# KiCad board JumperlessRev3point1.kicad_pcb (continued)
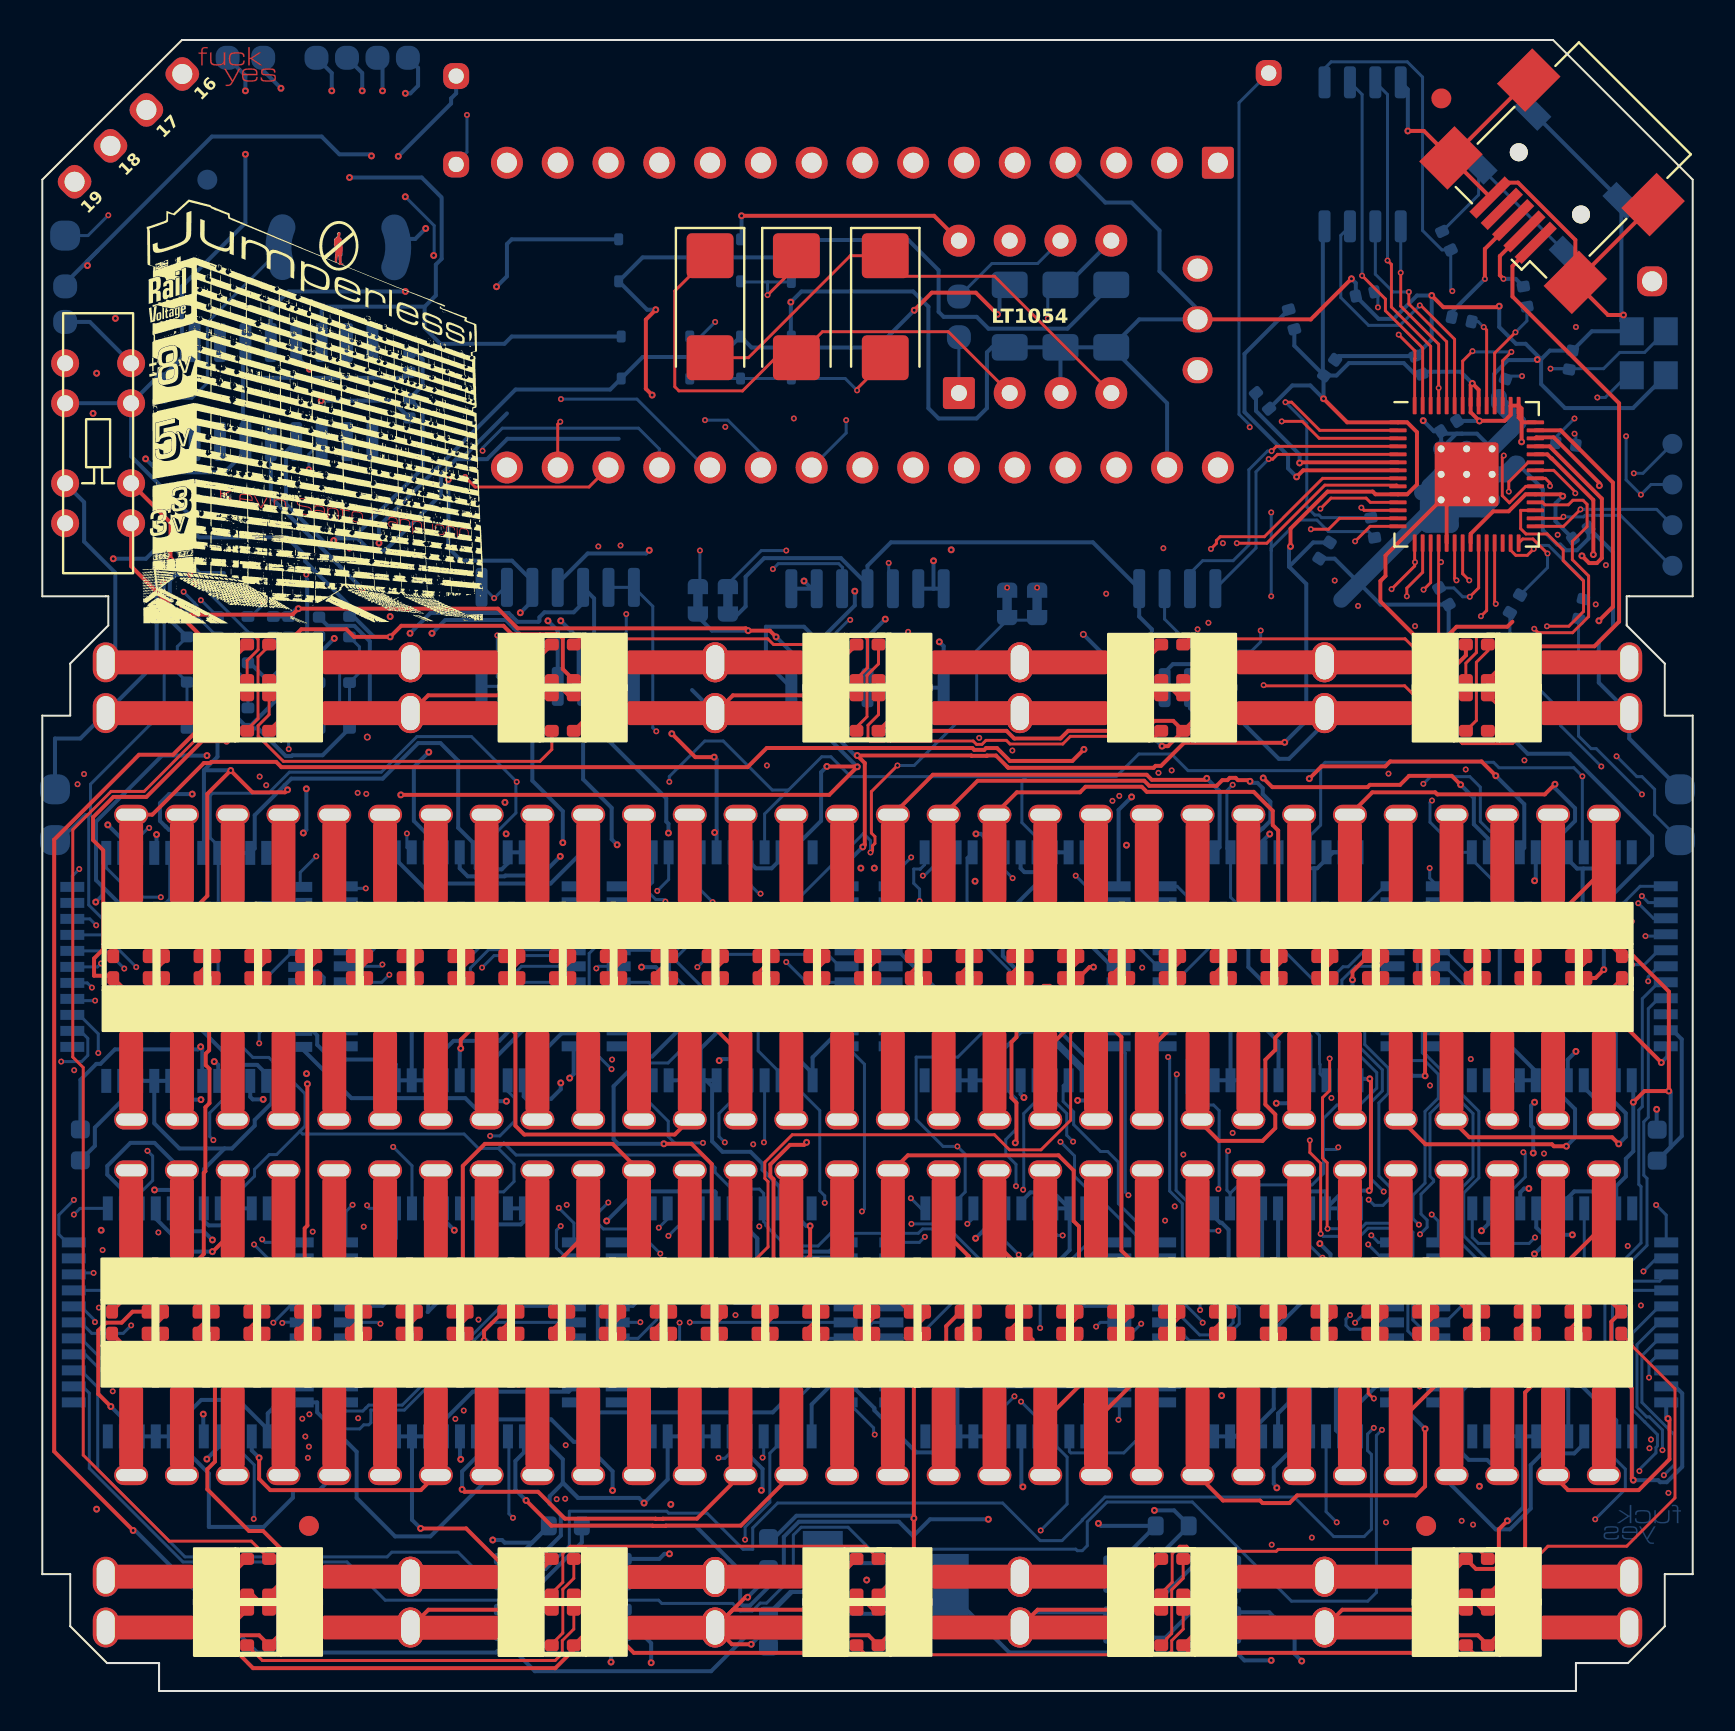
[diagram p0: board, top side]
## Routing (per net, layer and track width the routed paths; a pad name or vN(x,y) marks a point on that pad's centre or on a via; arc(x,y) is an arc through that point) (continued)
GND: length 1398.8
  Top w0.2: 48.39,37.34 48.39,37.59 v2(47.62,38.35) ; 48.39,37.34 45.97,37.34 ; 48.39,37.34 48.52,37.2 D18.2 ; 48.39,37.34 50.8,37.34 ; v2(68.3,78) 69.11,78 J5.6 ; D53.2 61.2,19.5 61.21,19.52 ; D83.2 19.3,49.78 J4.0 ; 58.8,37.34 58.69,37.23 D22.2 ; 58.8,37.34 60.2,37.34 ; 58.8,37.34 56.13,37.34 ; 63.75,19.52 63.74,19.5 D54.2 ; 63.75,19.52 61.21,19.52 ; 63.75,19.52 66.17,19.52 ; D32.2 7.82,19.5 7.87,19.56 ; v2(22.1,17.53) 22.1,18.01 D38.2 23.06,19.5 23.11,19.56 ; D48.2 48.47,19.47 48.51,19.52 ; D80.2 9.69,6.05 9.69,4.53 10.16,4.06 ; 10.16,49.78 9.69,50.25 9.69,50.55 ; J4.32 19.32,4.06 23.88,4.06 ; v2(63.88,38.1) 63.88,37.46 63.75,37.34 ; 50.8,37.34 53.72,37.34 ; 50.8,37.34 51.06,37.08 D19.2 ; 53.72,37.34 56.13,37.34 ; 53.72,37.34 53.6,37.22 D20.2 ; 33.15,19.56 35.69,19.56 ; 33.15,19.56 30.73,19.56 ; 33.15,19.56 33.23,19.47 D42.2 ; 35.69,19.56 38.1,19.56 ; 35.69,19.56 35.77,19.47 ; 61.21,37.34 63.75,37.34 ; 61.21,37.34 60.2,37.34 ; 61.21,37.34 61.23,37.32 D23.2 ; 63.75,37.34 63.88,37.34 ; 40.64,49.78 40.17,50.25 40.17,51.77 D85.2 ; 7.87,37.22 7.75,37.34 ; 7.87,37.22 7.87,37.23 v2(7.87,38.35) ; 7.87,37.22 D2.2 ; 7.75,37.34 10.41,37.34 ; 7.75,37.34 5.84,37.34 5.33,36.83 8.25,39.76 8.25,44.86 v2(9.42,46.02) 10.51,44.93 12.14,44.93 v2(12.27,45.06) ; 5.27,19.04 5.78,19.56 7.87,19.56 ; D21.2 56.14,37.33 56.13,37.34 ; U9.19 70.24,59.28 U9.57 67.18,56.77 67.18,55.75 66.93,55.5 66.93,54.48 69.22,52.2 69.72,52.2 70.74,53.21 73.28,53.21 73.53,53.47 ; D27.2 71.39,37.32 71.37,37.34 ; D28.2 73.93,37.32 73.91,37.34 ; 28.19,37.34 28.19,37.33 D10.2 ; 28.19,37.34 25.65,37.34 ; 28.19,37.34 30.86,37.34 ; 7.87,19.56 10.29,19.56 ; 43.56,37.34 43.44,37.22 D16.2 ; 43.56,37.34 45.97,37.34 ; 43.56,37.34 40.89,37.34 ; 30.73,19.56 30.68,19.51 D41.2 ; 30.73,19.56 28.07,19.56 ; 15.49,19.56 17.91,19.56 ; 15.49,19.56 15.44,19.5 D35.2 ; 15.49,19.56 12.83,19.56 ; 17.91,19.56 v2(19.3,19.56) 20.45,19.56 ; 17.91,19.56 17.98,19.49 D36.2 ; 25.65,37.34 25.65,37.33 D9.2 ; 25.65,37.34 23.11,37.34 ; 56.13,19.52 58.67,19.52 ; 56.13,19.52 56.11,19.49 D51.2 ; 56.13,19.52 53.59,19.52 ; 58.67,19.52 58.66,19.5 D52.2 ; 58.67,19.52 61.21,19.52 ; 48.51,19.52 45.85,19.52 ; 48.51,19.52 49.4,19.52 ; J4.32 34.49,2.34 v2(35.46,2.34) ; J4.32 34.54,4.06 D75.2 ; J4.32 35.17,4.69 v2(35.28,4.69) ; 12.83,19.56 12.9,19.49 D34.2 ; 12.83,19.56 10.29,19.56 ; v2(66.37,25.02) 66.45,25.1 66.45,30.55 v2(66.4,30.61) ; 38.35,37.34 38.36,37.33 D14.2 ; 38.35,37.34 35.81,37.34 ; 38.35,37.34 40.89,37.34 ; D12.2 33.28,37.33 33.27,37.34 ; D55.2 66.28,19.41 66.17,19.52 ; D44.2 38.31,19.35 38.1,19.56 ; v2(9.5,50.7) 9.65,50.55 9.69,50.55 ; 30.86,37.34 33.27,37.34 ; 30.86,37.34 30.73,37.21 D11.2 ; 33.27,37.34 35.81,37.34 ; 76.45,37.34 77.34,37.34 ; 76.45,37.34 73.91,37.34 ; 76.45,37.34 76.47,37.32 D29.2 ; 77.34,37.34 77.34,37.95 v2(77.25,38.05) ; 77.34,37.34 78.42,37.34 D30.2 79.58,36.75 81.36,34.97 v2(81.36,30) 80.14,30 v2(79.58,29.44) ; 20.64,37.28 20.57,37.2 D7.2 ; 20.64,37.28 20.59,37.34 18.92,37.34 ; 20.64,37.28 20.68,37.24 20.97,37.24 21.07,37.34 23.11,37.34 ; 45.97,37.34 45.98,37.33 D17.2 ; D84.2 24.93,51.77 24.93,50.25 25.4,49.78 ; 18.03,37.34 18.03,37.33 D6.2 ; 18.03,37.34 15.49,37.34 ; 18.03,37.34 18.92,37.34 ; 67.64,19.52 68.83,19.52 ; 67.64,19.52 66.17,19.52 ; 67.64,19.52 70.81,19.52 D57.2 71.36,19.5 71.37,19.52 ; 68.83,19.52 71.37,19.52 ; 68.83,19.52 68.82,19.5 D56.2 ; 28.07,19.56 28.14,19.49 D40.2 ; 28.07,19.56 25.65,19.56 ; v2(17.93,44.81) 39.36,44.81 v2(40.76,46.21) 40.74,46.23 v2(39.24,46.23) ; 71.12,49.78 70.61,49.78 69.87,50.53 v2(69.87,51.05) 70.48,51.05 71.2,51.78 D89.2 ; 45.85,19.52 45.93,19.43 D47.2 45.21,18.24 45.21,16.64 v2(45.59,16.26) ; 45.85,19.52 44.32,19.52 43.86,19.97 43.54,19.97 43.13,19.56 42.8,19.56 ; D13.2 35.82,37.33 35.81,37.34 ; 40.64,4.06 40.17,4.53 40.17,6.05 D76.2 ; 73.91,19.52 73.9,19.5 D58.2 ; 73.91,19.52 76.45,19.52 ; 73.91,19.52 71.37,19.52 ; D33.2 10.36,19.49 10.29,19.56 ; 23.11,37.34 23.11,37.33 D8.2 ; D46.2 42.8,19.56 ; 42.8,19.56 40.77,19.56 ; 9.69,50.55 9.69,51.77 D81.2 ; J5.6 J5.6 ; J5.6 J5.5 ; 38.1,19.56 40.77,19.56 ; 20.45,19.56 23.11,19.56 ; 20.45,19.56 20.52,19.49 D37.2 ; 55.88,49.78 55.37,50.29 55.37,51.73 D88.2 ; D49.2 51.01,19.43 50.93,19.52 ; 60.2,37.34 v2(60.2,38.1) ; 53.59,19.52 53.56,19.48 D50.2 ; 53.59,19.52 50.93,19.52 ; 76.45,19.52 78.43,19.52 D60.2 78.48,18.47 78.48,17.03 78.82,16.68 78.82,15.82 79.5,15.14 79.5,10.62 v2(79.58,10.54) ; 76.45,19.52 76.44,19.5 D59.2 ; J5.6 76.68,72.55 73.81,75.42 73.18,75.42 ; J5.6 78.31,68.8 v2(79.09,68.8) ; J5.6 J5.6 ; D31.2 4.52,18.97 3.97,18.42 3.19,18.42 2.8,18.02 2.8,14.85 v2(3.43,14.22) ; 15.49,37.34 12.95,37.34 ; 15.49,37.34 15.49,37.33 D5.2 ; v2(69.49,69.77) 70.08,69.19 72.82,69.19 v2(72.87,69.24) ; D26.2 68.85,37.23 68.96,37.34 ; 23.11,19.56 25.65,19.56 ; 25.65,19.56 25.6,19.5 D39.2 ; 71.12,4.06 70.66,4.53 70.66,6.05 D72.2 71.7,6.1 72.65,6.1 72.86,6.31 72.86,8.08 v2(73.28,8.51) ; J4.0 54.23,48.89 55.12,49.78 D87.2 ; 50.93,19.52 49.4,19.52 ; 71.37,37.34 72.52,37.34 ; 71.37,37.34 68.96,37.34 ; 72.52,37.34 v2(72.52,38.1) ; 72.52,37.34 73.91,37.34 ; 49.4,19.52 v2(49.4,20.07) ; D71.2 65.02,4.06 J4.32 ; 12.95,37.34 12.95,37.33 D4.2 ; 12.95,37.34 10.41,37.34 ; v2(63.63,20.07) 63.63,19.08 ; v2(51.31,33.88) v2(49.45,33.88) ; 10.41,37.34 10.41,37.33 D3.2 ; 66.29,37.34 68.96,37.34 ; 66.29,37.34 66.31,37.32 D25.2 65.53,35.97 v2(65.53,35.56) ; 66.29,37.34 63.88,37.34 ; D78.2 23.88,4.06 ; 23.88,4.06 23.88,5.45 21.2,8.13 v2(18.92,8.13) ; J1.2 63.45,68.58 v2(65.48,70.61) ; D74.2 49.78,4.06 J4.32 ; 18.92,37.34 18.8,37.46 v2(18.8,37.97) ; 35.77,19.47 D43.2 ; 35.77,19.47 35.77,20.74 v2(35.72,20.8) 35.85,20.8 36.07,20.57 36.58,20.57 36.96,20.95 37.6,20.95 38.4,21.76 v2(38.4,23.25) ; D86.2 34.54,49.78 J4.0 ; D79.2 9.36,3.17 J4.32 ; D45.2 40.85,19.47 40.77,19.56 ; 63.88,37.34 63.77,37.23 D24.2 ; v2(25.02,6.98) 25.1,6.98 D77.2 24.93,6.05 24.93,4.53 25.4,4.06 ; 40.89,37.34 40.9,37.33 D15.2 ; D73.2 55.42,6.05 55.42,4.53 55.88,4.06 ; v2(38.23,38.48) 38.23,36.88
  In1.Cu w0.2: J4.32 J4.32 J4.32 J4.32 ; v2(3.55,56.61) 5.18,56.61 6,57.44 14.5,57.44 v2(14.58,57.52) ; J4.32 J4.32 ; J4.0 J4.0 ; J4.0 J4.0 J4.0 ; 63.82,49.21 49.21,49.21 ; 18.56,48.75 33.51,48.75 ; 18.69,3.45 33.38,3.45
  In2.Cu w0.2: v2(14.58,57.52) 14.91,57.86 14.91,68.86 v2(19.18,73.13) ; v2(3.66,68.63) 3.61,68.58 3.48,68.58 3.48,65.84 ; 3.48,65.84 2.77,65.84 v2(2.72,65.89) ; 3.48,65.84 3.48,63.93 ; v2(3.55,56.61) 3.48,56.69 3.48,63.93 ; v2(38.23,38.48) 37.72,37.97 37.72,33.65 v2(37.8,33.58) ; 17.93,48.41 v2(17.93,44.81) ; J4.32 31.37,5.46 v2(31.37,6.86) ; 3.48,63.93 2.59,63.93 v2(2.54,63.88) ; v2(7.87,38.35) 7.49,37.97 v2(7.49,33.53)
  Bottom w0.2: 51.39,24.12 51.39,22.05 v2(49.4,20.07) ; G1.21 G1.20 59.69,12.73 ; v2(22.1,17.53) 22.22,17.53 23.88,15.88 25.5,15.88 26.14,15.23 ; F5.10 26.33,14.97 21.53,14.97 20.09,13.53 F5.18 F5.21 ; B1.18 B1.21 17.68,31.33 17.44,31.57 14.49,31.57 13.75,32.31 13.75,32.78 13.53,33.01 A2.10 ; H1.21 H1.18 ; J6.18 J6.21 31.28,10.58 v2(30.1,9.4) 29.84,9.65 26.8,9.65 ; F5.42 F5.43 24.09,23.48 23.94,23.33 21.83,23.33 21.69,23.47 F5.40 21.69,21.36 19.28,18.95 19.3,18.97 v2(19.3,19.56) ; D70.43 D70.42 77.9,41.22 77.8,41.12 77.09,41.12 ; B1.19 19.28,31.22 20.57,32.51 22.85,32.51 23.89,33.54 23.89,33.77 24.88,33.77 B1.12 24.88,31.78 26.13,33.03 ; C8.2 36.75,2.65 U2.1 35.77,2.65 v2(35.46,2.34) ; 77.09,41.12 77.04,41.08 77.04,38.25 v2(77.25,38.05) ; 77.09,41.12 76.76,41.12 76.3,41.59 ; v2(7.49,33.53) 9.72,31.31 10.75,31.31 11.2,30.86 ; 39.88,33.03 38.53,31.68 I1.12 ; 18.02,72.6 18.65,72.6 v2(19.18,73.13) ; 12.63,15.23 11.28,13.88 E1.12 ; v2(72.87,69.24) 72.87,68.2 73.71,67.36 74.19,67.36 74.97,66.59 ; C25.1 2.63,27.25 2.63,28.17 4,29.54 A2.21 A2.18 ; 65.83,30.89 65.28,31.44 65.28,33.46 64.43,34.31 62.56,34.31 62.54,34.29 62.23,34.29 ; J6.10 39.38,15.23 38.48,14.33 J6.12 ; U9.57 71.76,62.87 71.02,62.87 ; C13.2 72.61,64.95 72.61,65.85 73.31,66.55 74.75,66.55 v2(74.78,66.57) 74.79,66.59 74.97,66.59 ; 63.63,41.14 63.63,38.35 v2(63.88,38.1) ; 63.63,41.14 63.08,41.14 62.63,41.59 ; 63.63,41.14 63.77,41.14 64.57,41.94 C26.43 C26.42 ; G1.40 62.91,24.43 62.91,24.92 62.97,24.98 64.16,24.98 64.21,24.93 G1.42 ; C26.18 C26.21 ; 37.73,42.28 38.95,43.51 38.95,45.94 v2(39.24,46.23) ; v2(37.8,33.58) 37.67,33.58 37.16,34.09 ; 74.97,66.59 74.97,65.34 76.16,64.15 79.56,64.15 Y1.4 ; 74.97,66.59 75.4,67.02 C14.2 77.5,67.99 Y1.2 78.98,68.5 SW1.1 SW1.1 ; R22.2 8.24,48.65 8.24,50.4 C17.2 ; R22.2 8.76,46.71 8.08,46.04 ; R22.2 R21.2 ; R22.2 R23.2 ; A2.12 11.47,30.23 11.47,29.4 10.62,28.55 10.62,28.26 9.49,27.13 9.12,27.13 ; 9.08,55.9 7.85,55.9 6.59,57.15 5.72,57.15 ; C1.2 54.86,68.58 J1.2 57.78,69.09 55.88,70.99 55.88,73.03 54.48,74.42 53.17,74.42 A1.4 ; C1.2 56.26,64.39 A1.29 ; C1.2 C6.1 47.5,67.18 47.25,66.93 47.25,64.14 46.73,63.63 44.83,63.63 44.32,64.13 44.32,69.22 43.56,69.98 37.97,69.98 v2(37.44,69.44) 37.44,67.75 ; v2(63.63,20.07) 60.33,16.76 60.33,13.36 59.69,12.73 ; 9.12,27.13 8.08,26.09 8.08,24.14 ; 9.12,27.13 6.86,27.13 5.6,28.38 A2.19 ; L1.12 52.13,31.1 50.27,32.97 48.97,32.97 47.33,31.33 L1.18 L1.21 ; G1.19 61.59,14.11 61.59,16.26 62.1,16.76 63.55,16.76 64.33,15.98 65.43,15.98 65.81,15.6 G1.12 65.81,14.33 66.71,15.23 G1.10 ; H1.40 76.32,24.68 76.62,24.98 77.87,24.98 H1.43 ; 48.97,24.48 49.42,24.93 50.57,24.93 K1.43 K1.42 ; H1.43 H1.42 ; H1.43 78.72,25.24 79.2,25.72 79.2,26.61 79.58,26.98 v2(79.58,29.44) 79.58,30.46 ; 59.69,12.73 G1.18 ; 74.08,12.58 74.08,9.18 73.41,8.51 v2(73.28,8.51) ; v2(35.72,20.8) 35.76,20.84 35.76,22.63 ; 38.53,30.88 37.19,32.23 37.19,34.06 37.16,34.09 ; C4.1 U1.3 ; 5.72,57.15 5.18,56.61 v2(3.55,56.61) ; 5.72,57.15 5.72,55.61 5.68,55.57 5.68,55.28 5.72,55.24 5.72,51.44 J4.0 1.9,47.62 0.63,47.62 TP25.1 ; 81.55,33.04 82,32.59 82,27.75 C16.2 81.45,27.19 81.45,29.91 v2(81.36,30) ; C22.2 v2(9.5,50.7) 9.5,48.92 R23.2 ; 26.8,9.65 26.04,10.41 26.04,11.59 F5.12 ; 26.8,9.65 26.04,10.4 25.38,9.74 25.38,9.34 25.94,8.79 25.94,7.78 25.15,6.98 v2(25.02,6.98) ; H1.12 79.52,10.59 v2(79.58,10.54) 80.82,10.54 80.92,10.44 81.25,10.44 82.02,11.21 82.02,14.88 81.67,15.23 ; I1.42 I1.43 ; 48.04,38.67 50.53,41.16 ; 48.04,38.67 48.04,36.75 49.45,35.35 v2(49.45,33.88) 49.45,33.57 52.13,30.88 ; 48.04,38.67 47.73,38.35 v2(47.62,38.35) ; K1.12 52.17,14.33 53.07,15.23 K1.10 48.27,15.23 48.26,15.24 45.77,15.24 ; 53.38,33.03 52.89,33.53 51.66,33.53 v2(51.31,33.88) ; 12.25,51.44 11.3,50.5 ; 11.3,50.5 10.39,51.41 ; 11.3,50.5 11.68,50.12 11.68,49.53 R23.2 ; 35.33,41.5 35.69,41.13 36.48,41.13 36.93,41.58 ; D70.21 D70.18 ; L1.40 48.93,41.13 49.12,40.94 50.34,40.94 50.53,41.13 L1.42 L1.43 ; 11.28,13.08 9.8,14.55 7.95,14.55 6.48,13.08 ; v2(65.53,35.56) 65.53,34.69 67.18,33.04 ; v2(66.37,25.02) 65.1,25.02 G1.42 ; 37.16,34.09 36.93,34.32 35.13,34.32 32.93,32.12 I1.19 ; B1.43 B1.42 23.28,41.38 22.98,41.08 21.73,41.08 21.68,41.14 B1.40 21.68,42.28 20.8,43.16 20.8,46.51 19.91,47.4 18.8,47.4 17.02,45.62 12.45,45.62 12.12,45.28 ; v2(72.52,38.1) 72.9,37.72 72.9,32.79 74.7,30.99 ; v2(31.37,6.86) 31.11,6.86 30.86,6.6 U4.1 U4.2 ; v2(35.28,4.69) 36.32,5.73 C7.2 ; 16.38,48.89 16.13,48.89 R18.1 14.02,46.79 12.51,46.79 12.47,46.75 12.18,46.75 10.8,48.13 R23.2 ; 16.38,48.89 J4.0 ; 16.38,48.89 16.38,52.48 15.61,53.25 14.28,53.25 C24.2 ; 8.08,46.04 8.08,41.99 ; 8.08,46.04 9.41,46.04 v2(9.42,46.02) ; 44.97,12.38 44.52,11.93 43.72,11.93 41.62,14.03 41.62,14.14 40.53,15.23 ; v2(79.09,68.8) 79.08,68.79 79.08,68.41 ; v2(38.23,38.48) 38.83,38.48 39.78,39.43 ; 35.76,22.63 35.28,23.11 J6.40 ; 35.76,22.63 35.76,21.13 36.45,20.45 37.67,21.67 40.14,21.67 ; U11.11 41.28,52.7 v2(42.16,53.59) ; E1.40 8.08,23.52 8.32,23.28 9.38,23.28 9.68,23.58 E1.42 E1.43 ; v2(18.92,8.13) 18.49,8.56 F5.20 ; v2(66.4,30.61) 65.91,30.61 ; 21.21,61.59 22.25,61.59 23.26,62.61 28.83,62.61 ; 21.21,61.59 20.7,61.59 19.94,60.83 19.94,59.82 17.14,57.02 16.38,57.02 15.77,57.63 14.69,57.63 v2(14.58,57.52) 14.76,57.71 15.6,57.71 19.02,61.14 19.02,63.95 C10.2 19.02,65.28 19.02,66.57 18.7,66.9 C15.2 ; 21.21,61.59 21.21,61.85 23.24,63.88 ; 62.23,34.29 60.58,34.29 59.94,34.92 59.56,34.92 59.43,34.8 C26.20 ; 62.23,34.29 60.33,36.2 60.33,37.97 v2(60.2,38.1) ; C18.2 64.64,56.62 66.94,54.32 C11.2 70.34,51.53 v2(69.87,51.05) ; 33.2,30.53 I1.18 ; 33.2,30.53 I1.21 ; 33.2,30.53 33.5,30.23 33.5,27.48 34.03,26.96 35.42,26.96 36.02,26.36 36.02,26.06 36.88,25.21 J6.42 J6.43 ; v2(12.27,45.06) 12.12,45.21 12.12,45.28 ; 32.5,50.05 J4.0 38.08,48.89 v2(40.76,46.21) ; J4.0 64.14,48.39 62.36,46.61 61.85,46.61 58.67,49.78 U12.5 58.67,50.37 57.7,51.34 56.55,51.34 56.13,50.93 U12.7 ; TP19.1 79.38,47.62 J4.0 77.85,50.42 77.85,52.48 78.56,53.19 78.56,56.95 C21.2 77.34,57.62 76.76,57.04 76.21,57.04 75.92,57.32 75.77,57.32 75.06,58.04 75.06,60.1 73.79,61.37 ; 71.02,62.87 70.08,62.87 ; 71.02,62.87 70.72,62.87 U9.57 69.97,62.97 ; G1.42 G1.43 ; v2(18.8,37.97) 18.48,37.66 B1.20 ; U8.4 68.3,80.08 v2(68.3,78) ; 12.12,45.28 10.62,43.79 10.62,42.13 A2.43 A2.42 ; U4.6 22.87,3.38 18.62,3.38 ; 45.77,15.24 45.77,16.08 v2(45.59,16.26) ; 45.77,15.24 K1.20 ; v2(38.4,23.25) 38.21,23.25 37.68,23.78 ; C20.2 69.6,62.99 v2(69.07,63.52) ; U6.1 57.78,6.48 55.25,3.94 U6.6 49.66,3.94 J4.32 ; v2(3.43,14.22) 4.08,13.58 E1.21 E1.18 ; v2(65.48,70.61) 65.7,70.39 C9.2 66.84,68.61 67.59,68.61 68.76,69.77 v2(69.49,69.77) 69.49,67.57 C19.2 64.85,66.75 C12.2 ; K1.18 K1.21
  Bottom w0.8: U9.57 64.97,54.56 ; U9.57 69.61,59.92 69.01,59.92 ; U9.57 70.43,59.09 70.43,59.08 72.04,59.08 U9.57 U9.57 ; U9.57 69.97,58.73 70.45,58.73 70.45,58.31 69.3,58.31 69.3,59.43 ; U9.57 U9.57 ; U9.57 69.38,60.15 69.38,60.24 U9.57 ; C13.2 72.86,64.4 73.84,63.42 73.41,63 73.41,63 U9.57 U9.57 ; U9.57 U9.57 U9.57 ; U9.57 U9.57 U9.57 ; 73.79,61.37 73.69,61.37 73.16,60.83 U9.57 ; U9.57 U9.57
1: length 80.4
  Top w0.2: J4.1 5.5,43.81 8.08,46.4 8.39,46.4 8.45,46.46 11.7,46.46 11.96,46.19 35.28,46.19 36.23,47.15 46.52,47.15 46.61,47.06 47.11,47.06 47.2,47.15 47.75,47.15 48.4,46.5 51.52,46.5 v2(52.1,47.08)
  In2.Cu w0.2: v2(52.1,47.08) 51.29,46.27 51.29,39.53 v2(49.89,38.13) ; J4.1 4.45,43.07 5.23,42.29 5.23,30.89 4.45,30.11 J4.1
  Bottom w0.2: L1.5 53.2,37.03 52,38.23 52,38.32 51.75,38.57 50.32,38.57 v2(49.89,38.13)
2: length 21.9
  In2.Cu w0.2: v2(3.28,43.31) 3.28,44.06 3.78,44.56 6.23,44.56 J4.2 J4.2
  Bottom w0.2: v2(3.28,43.31) 4,42.58 A2.35
3: length 20.5
  In1.Cu w0.2: J4.3 9.52,43.15 9.35,42.98 5.87,42.98 v2(5.71,42.82)
  In2.Cu w0.2: J4.3 9.02,43.31 9.02,38.15 9.14,38.04 9.14,28.96
  Bottom w0.2: v2(5.71,42.82) 5.71,42.02
4: length 26.3
  In1.Cu w0.2: J4.4 11.05,44.83 7.52,44.83 v2(7.5,44.85)
  In2.Cu w0.2: J4.4 12.07,30.22 11.77,30.52 11.77,32.43 10.92,33.27 10.92,35.34 11.82,36.23 11.82,42.02 12.07,42.26 J4.4
  Bottom w0.2: v2(7.5,44.85) 6.34,44.85 5.88,44.39 5.88,43.5 6.17,43.22 6.17,43.22 6.33,43.06 6.84,43.06 7.2,42.71 A2.39
5: length 26.2
  In1.Cu w0.2: J4.5 13.59,27.56 11.26,27.56 10.62,28.19 10.62,28.89 10.19,29.33 9.2,29.33 8.95,29.57 v2(7.94,29.57)
  In2.Cu w0.2: J4.5 14.61,43.21 13.3,41.9 13.3,37.04 14.61,35.74 J4.5
  Bottom w0.2: v2(7.94,29.57) 7.34,29.57 7.2,29.71 A2.17
6: length 26.8
  In1.Cu w0.2: v2(8.6,31.47) 8.6,31.42 10.86,29.16 11.24,29.16 11.4,29.33 12.73,29.33 12.97,29.57 15.52,29.57 16.51,28.58
  In2.Cu w0.2: J4.6 18.39,29.82 18.39,35.01 18.16,35.25 18.16,38.16 17.14,39.17 J4.6
  Bottom w0.2: A2.15 8.8,31.31 8.64,31.47 v2(8.6,31.47)
7: length 26.1
  In1.Cu w0.2: J4.7 18.34,29.92 11.38,29.92 v2(11.05,29.58)
  In2.Cu w0.2: J4.7 J4.7
  Bottom w0.2: v2(11.05,29.58) 10.53,29.58 10.4,29.71 A2.13
8: length 25.9
  In2.Cu w0.2: 21.92,43.51 21.61,43.2 21.61,37.39 22.57,36.43 22.57,28.92
  Bottom w0.2: J4.8 21.16,29.64 15.46,29.64 A2.11
9: length 23.9
  In2.Cu w0.2: J4.9 24.76,39.22 23.8,38.26 ; 24.83,28.64 24.83,37.16 24.63,37.36 24.63,37.67 24.56,37.74 24.56,38 24.38,38.17 23.88,38.17 23.8,38.26 ; 23.8,38.26 23.87,38.33 v2(23.87,38.33)
  Bottom w0.2: v2(23.87,38.33) 23.33,38.86 20.4,38.86 17.68,41.58
10: length 27.2
  In2.Cu w0.2: J4.10 27.3,32.31 28.12,33.12 28.12,36.23 26.98,37.37 26.98,43.49
  Bottom w0.2: B1.37 19.28,41.13 20.04,40.37 25.42,40.37 27.3,42.25 J4.10
11: length 28
  In1.Cu w0.2: v2(25.91,41.73) 25.91,41.86 25.88,41.86 25.27,42.47 25.73,42.93 28.96,42.93 J4.11
  In2.Cu w0.2: J4.11 30.36,43.3 30.36,38.07 29.62,37.33 29.62,36.52 29.55,36.45 29.55,28.87
  Bottom w0.2: B1.39 20.88,41.13 21.28,40.73 23.12,40.73 23.16,40.77 24.95,40.77 v2(25.91,41.73)
12: length 34.3
  Top w0.2: J4.12 31.64,27.83 24.1,27.83 23.66,28.26 23.66,32.89 23.33,33.22 21.59,33.22 20.93,32.56 v2(20.93,32.13)
  In2.Cu w0.2: J4.12 J4.12
  Bottom w0.2: v2(20.93,32.13) 20.88,32.08 B1.17
13: length 33.9
  Top w0.2: v2(24.31,33.31) 28.73,33.31 29.75,34.33 32.45,34.33 34.92,31.85 J4.13
  In2.Cu w0.2: 35.02,43.72 35.02,28.67
  Bottom w0.2: B1.15 22.48,31.48 v2(24.31,33.31)
14: length 30.6
  In1.Cu w0.2: 37.13,28.91 36.01,28.91 35.59,29.33 29.18,29.33 29.16,29.3 27.88,29.3 27.85,29.33 27.01,29.33 v2(25.93,30.4)
  In2.Cu w0.2: 37.75,43.53 37.75,38.43 37.42,38.1 37.42,37.97 36.86,37.41 36.86,34.01 37.47,33.4 J4.14
  Bottom w0.2: v2(25.93,30.4) 25.93,30.09 25.45,29.61 24.2,29.61 24.08,29.73 B1.13
15: length 31.1
  In1.Cu w0.2: 39.45,28.58 38.32,29.7 30.03,29.7 29.68,30.05 29.58,30.05 29.22,29.69 27.33,29.69 v2(26.38,30.65)
  In2.Cu w0.2: J4.15 J4.15
  Bottom w0.2: B1.11 26.58,30.85 v2(26.38,30.65)
16: length 37
  Top w0.2: v2(58.24,45.63) 58.17,45.56 55.49,45.56 55.24,45.81 44.54,45.81 J4.16
  In2.Cu w0.2: J4.16 42.55,39.57 43.68,38.44 43.68,37.48 43.77,37.38 43.77,35.33 43.29,34.84 43.29,34.58 42.55,33.84 J4.16
  Bottom w0.2: C26.35 58.89,42.19 58.89,44.99 v2(58.24,45.63)
17: length 35.7
  Top w0.2: J4.17 46.78,45.51 55.12,45.51 55.37,45.26 58.74,45.26 59.02,45.54 59.28,45.54 59.4,45.66 59.69,45.66 59.8,45.54 60.35,45.54 v2(60.41,45.48)
  In2.Cu w0.2: J4.17 45.38,28.87 45.38,43.52
  Bottom w0.2: v2(60.41,45.48) 60.48,45.41 60.78,45.41 61.04,45.14 61.04,44.85 61.42,44.47 61.42,43.5 61.04,43.12 61.02,43.12 60.23,42.34
18: length 39.5
  Top w0.2: v2(62.36,38.73) 61.82,39.28 61.82,43.03 61.54,43.3 61.54,44.01 60.59,44.96 55.25,44.96 54.99,45.21 52.18,45.21 51.9,44.93 48.74,44.93 J4.18
  In2.Cu w0.2: J4.18 47.62,38.96 47.09,38.43 47.09,34.06 47.45,33.7 47.45,28.75
  Bottom w0.2: C26.39 61.83,39.26 v2(62.36,38.73)
19: length 35.1
  Top w0.2: J4.19 50.17,32 51.83,33.67 51.83,34.29 52.37,34.83 53.14,34.83 53.41,34.55 59.74,34.55 v2(59.81,34.48)
  In2.Cu w0.2: J4.19 50.17,39.01 49.47,38.31 49.47,34.97 50.51,33.92 50.51,28.92
  Bottom w0.2: v2(59.81,34.48) 61.83,32.46 C26.17
20: length 36.2
  Top w0.2: 52.46,28.82 52.46,33.58 52.42,33.62 52.42,33.71 52.38,33.75 52.38,34.06 52.6,34.28 52.91,34.28 53.3,33.89 59.52,33.89 59.56,33.85 60.22,33.85 60.24,33.87 62.23,33.87 v2(62.26,33.9)
  In2.Cu w0.2: J4.20 52.7,40.36 50.35,38.01 50.35,36.63 52.38,34.6 52.38,33.75 52.48,33.64 52.48,28.8
  Bottom w0.2: v2(62.26,33.9) 63.43,32.73 C26.15
21: length 32.7
  Top w0.2: v2(64.14,33.66) 64.05,33.57 62.5,33.57 62.45,33.52 62.11,33.52 62.09,33.55 57.28,33.55 57.23,33.59 56.88,33.59 55.25,31.95 J4.21
  In2.Cu w0.2: J4.21 54.61,29.21 54.61,36.53 55.12,37.04 55.75,37.04 55.93,37.21 55.93,43.13 55.57,43.49
  Bottom w0.2: v2(64.14,33.66) 64.98,32.82 64.98,30.59
22: length 37.3
  Top w0.2: v2(69.16,30.76) 69.16,33.15 69.09,33.22 62.23,33.22 61.67,32.66 61.67,32.05 61.17,31.56 61.17,29.33 61.67,28.83 61.67,28.14 61.03,27.51 58.85,27.51 J4.22
  In2.Cu w0.2: 57.55,43.58 57.55,38.81 57.65,38.81 57.89,38.58 57.89,38.25 57.86,38.22 57.86,28.65
  Bottom w0.2: C26.11 67.97,31.8 67.97,31.32 68.53,30.76 v2(69.16,30.76)
23: length 31.3
  Top w0.2: v2(61.07,45.65) 61.52,45.19 66.29,45.19 66.4,45.31 67.91,45.31 68.36,45.76 70.5,45.76 v2(70.94,45.31)
  In2.Cu w0.2: 60.69,43.45 60.69,34.87 60.6,34.78 60.6,34.18 60.55,34.12 60.55,28.8 ; v2(61.07,45.65) 61.07,44.56 J4.23
  Bottom w0.2: v2(70.94,45.31) 71.6,44.65 71.6,43.33 72.3,42.64 D70.35
24: length 31.5
  Top w0.2: v2(63.37,45.62) 63.99,46.23 67.18,46.23 67.42,46.48 71.99,46.48 v2(72.7,45.76)
  In2.Cu w0.2: 62.93,43.75 62.93,37.75 63.08,37.6 63.08,33.44 63.09,33.43 63.09,28.8 ; v2(63.37,45.62) 63.37,44.32 J4.24
  Bottom w0.2: v2(72.7,45.76) 74.12,44.34 74.12,42.16 D70.37
25: length 30.8
  Top w0.2: v2(75.66,45.34) 75.15,44.83 69.77,44.83 69.67,44.93 66.52,44.93 J4.25
  In2.Cu w0.2: J4.25 65.88,29.05 65.88,34.38 66.29,34.8 66.29,42.93 J4.25
  Bottom w0.2: v2(75.66,45.34) 75.66,45.14 76.67,44.14 76.67,43.5 75.5,42.34
26: length 28.3
  Top w0.2: v2(76.23,27.24) 75.61,27.24 75.51,27.34 69.18,27.34 J4.26
  In2.Cu w0.2: J4.26 J4.26
  Bottom w0.2: v2(76.23,27.24) 76.67,27.67 76.67,29.09 76.07,29.69 75.55,29.69 75.5,29.74 D70.17
27: length 28.4
  Top w0.2: J4.27 71.37,27.69 78.52,27.69 v2(78.85,27.36)
  In2.Cu w0.2: J4.27 J4.27
  Bottom w0.2: v2(78.85,27.36) 79.2,27.71 79.2,28.89 78.41,29.69 77.6,29.69 77.1,30.19
28: length 28.1
  Top w0.2: v2(73.38,33.66) 73.38,28.93
  In2.Cu w0.2: 73.14,43.7 73.14,28.69
  Bottom w0.2: v2(73.38,33.66) 73.77,34.04 77.15,34.04 77.29,33.9 77.86,33.9 78.7,33.06 D70.13
29: length 27.3
  Top w0.2: v2(80.98,31.42) 78.24,34.16 77.19,34.16 75.56,32.54 J4.29
  In2.Cu w0.2: J4.29 J4.29
  Bottom w0.2: v2(80.98,31.42) 81.28,31.72 81.28,32.16
30: length 49.2
  Top w0.2: v2(51.58,38.14) 52.25,38.81 57.65,38.81 57.89,38.58 58.09,38.58 58.24,38.74 60.38,38.74 60.8,38.31 62.53,38.31 63.06,38.84 65.21,38.84 65.42,38.63 75.66,38.63 78.11,41.07 J4.30
  In2.Cu w0.2: J4.30 78.11,39.9 78.54,39.47 78.54,38.44 78.76,38.22 78.76,30.24 78.48,29.96 78.48,28.95
  Bottom w0.2: 53.49,36.23 51.58,38.14 v2(51.58,38.14)
32: length 79.9
  In1.Cu w0.2: J4.33 4.45,26.82 5.71,28.09 5.71,30.61 7.74,32.64 8.68,32.64 9.92,31.39 26.03,31.39 26.06,31.42 26.86,31.42 27.61,30.67 29.21,30.67 29.29,30.75 32.47,30.75 33.71,31.98 34.16,31.98 35.75,30.4 50.92,30.4 v2(51.78,29.53)
  In2.Cu w0.2: J4.33 4.45,25.62 5.32,24.74 5.32,11.67 J4.33
  Bottom w0.2: v2(51.78,29.53) 52.48,29.53 52.64,29.69 52.64,31.24 50.63,33.26 50.63,33.99 50.93,34.29 52.34,34.29 53.48,35.43
33: length 22.5
  In2.Cu w0.2: J4.34 J4.34
  Bottom w0.2: E1.35 4.08,24.99 3.25,25.82 3.25,26.25 4.41,27.41 5.61,27.41 J4.34
34: length 23.8
  Top w0.2: J4.35 9.52,22.97 8.53,21.97 v2(8.51,21.97)
  In2.Cu w0.2: J4.35 J4.35
  Bottom w0.2: E1.37 5.68,23.62 7.33,21.97 v2(8.51,21.97)
35: length 27
  In1.Cu w0.2: J4.36 11.32,25.28 5.84,25.28 v2(5.61,25.05)
  In2.Cu w0.2: J4.36 13.06,10.8 14.47,12.21 14.47,14.2 14.18,14.48 14.18,20.05 12.07,22.17 J4.36
  Bottom w0.2: E1.39 7.28,24.66 6.89,25.05 v2(5.61,25.05)
36: length 28.1
  In2.Cu w0.2: 14.53,25.96 14.53,21.05 15.01,20.57 15.01,11.2 J4.37
  Bottom w0.2: J4.37 13.86,10.05 12.53,10.05 12.53,9.66 11.07,8.2 8.33,8.2 8.33,10.88 7.28,11.93 E1.17
37: length 27.8
  In2.Cu w0.2: v2(8.23,11.59) 8.23,10.18 9.02,9.4 15.75,9.4 J4.38 17.62,11.27 17.62,18.12 17.6,18.14 17.6,20.19 17.64,20.23 17.64,25.54 J4.38
  Bottom w0.2: 8.88,12.26 8.26,11.64 8.26,11.63 v2(8.23,11.59)
38: length 26.5
  Top w0.2: v2(10.85,11.66) 10.85,10.6 11.4,10.05 18.93,10.05 J4.39
  In2.Cu w0.2: 19.86,10.97 19.86,25.86
  Bottom w0.2: v2(10.85,11.66) 10.48,12.03 E1.13
39: length 30.7
  In2.Cu w0.2: J4.40 22.22,16.59 23.03,17.4 23.03,20.1 22.79,20.34 22.79,22.3 22.22,22.86 J4.40
  Bottom w0.2: 22.22,10.54 19.41,7.73 17.65,7.73 15.72,9.65 15.72,11.96 13.75,13.94 13.75,14.43 E1.11
40: length 33.4
  Top w0.2: v2(16.99,20.9) 17.77,20.9 17.91,21.04 17.97,21.04 18.44,21.51 18.92,21.51 19.35,21.09 19.45,21.09 19.91,20.63 19.97,20.63 20.12,20.48 20.55,20.48 21.37,21.3 21.6,21.3 21.63,21.34 23.97,21.34 24,21.3 24.33,21.3 24.76,21.74 J4.41
  In2.Cu w0.2: J4.41 24.34,25.61 24.34,17.41 23.37,16.44 23.37,12.19 J4.41
  Bottom w0.2: v2(16.99,20.9) 16.79,21.11 16.79,21.74 17.69,22.64 F5.35
41: length 31.1
  Top w0.2: v2(19.3,20.71) 19.83,20.18 20.74,20.18 21.51,20.95 25.31,20.95 27.3,22.95 J4.42
  In2.Cu w0.2: J4.42 J4.42
  Bottom w0.2: F5.37 19.29,20.72 v2(19.3,20.71)
42: length 35
  Top w0.2: J4.43 28.52,27.36 22.14,27.36 21.03,26.25 21.03,21.57 v2(20.34,20.88)
  In2.Cu w0.2: J4.43 29.84,14.2 31.14,15.49 31.14,16.31 30.9,16.55 30.9,16.63 30.68,16.85 30.6,16.85 29.47,17.97 29.47,25.66
  Bottom w0.2: 21.03,23.99 21.03,21.57 v2(20.34,20.88)
43: length 32.5
  In2.Cu w0.2: J4.44 32.99,25.43 32.99,11.4 J4.44 32.39,9.65 31.55,8.82 26.55,8.82 26.37,9 26.2,9 26.14,9.06 21.39,9.06 20.57,9.88 20.57,10.27 20.93,10.63 v2(20.93,11.58)
  Bottom w0.2: F5.17 20.89,11.62 v2(20.93,11.58)
44: length 34.2
  Top w0.2: v2(21,10.08) 21.12,9.96 24.8,9.96 26.14,8.62 30.67,8.62 30.69,8.61 31.04,8.61 31.05,8.62 32.75,8.62 J4.45
  In2.Cu w0.2: J4.45 34.92,19.04 35.02,18.94 35.02,10.89
  Bottom w0.2: F5.15 22.49,11.93 22.44,11.88 21.9,11.88 21,10.98 v2(21,10.08)
45: length 33.6
  Top w0.2: v2(24.2,9.53) 25.46,8.27 30.53,8.27 30.54,8.26 31.18,8.26 31.19,8.27 34.94,8.27 J4.46
  In2.Cu w0.2: 37.5,26 37.5,10.83
  Bottom w0.2: F5.13 24.09,11.93 23.66,11.5 23.66,10.06 v2(24.2,9.53)
46: length 34.2
  Top w0.2: J4.47 40,14.78 v2(38.69,16.09)
  In2.Cu w0.2: 40.03,10.82 40.03,26.01